# Altium PCB TM4C123G.PcbDoc (part 1 of 2) (continued)
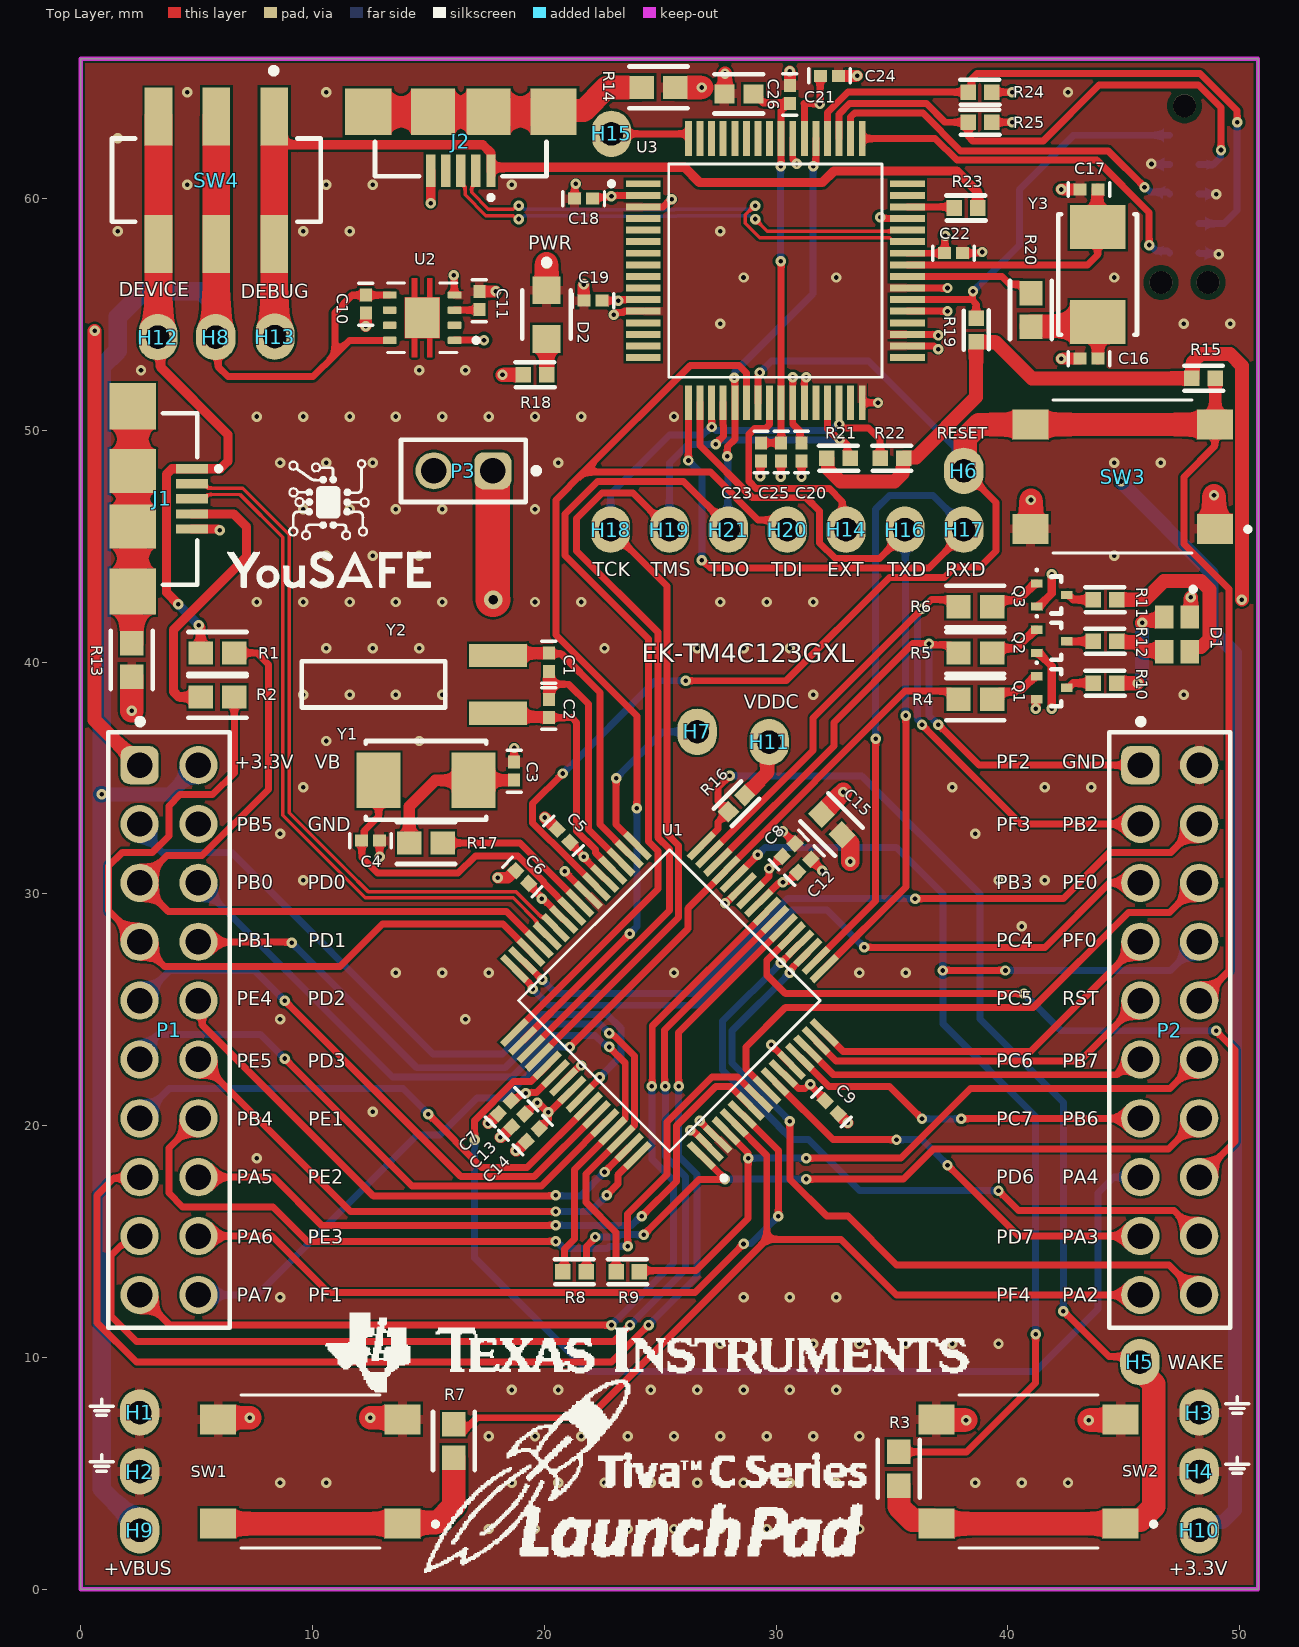
[diagram p0: Top Layer view]
## Footprints (in the part's own frame and the unit in brackets; to place one, negate y for a bottom-side part, rotate by r counter-clockwise, add the part's x,y. Pads: shape width x height; smd on the part's side, far side on the other; paste and mask are expansions set on the pad)
"0402 CAP" [mm]
  rect 0.56x0.52 smd: 1(-0.39,0) 2(0.39,0)
  silkscreen extent -0.9,-0.3 0.9,0.3, body extent -0.53,-0.28 0.53,0.28, height 0.55
"0402 RES" [mm]
  rect 0.668x0.672 smd paste+0 mask+0: 1(-0.502,0) 2(0.502,0)
  silkscreen extent -0.85,-0.54 0.84,0.54, body extent -1.04,-0.54 1.04,0.54, height 0.25
61300211121 [mm] "Pin Header, pitch 2.54 mm, THT, Vertical, single row, 2p"
  rrect50% 1.6x1.6 hole 1.1: 1(-1.27,0)
  round 1.6 hole 1.1: 2(1.27,0)
  silkscreen extent -3.26,-1.34 2.69,1.34, body extent -2.54,-1.27 2.54,1.27, height 8.57
61302021121 [mm] "Pin Header, pitch 2.54 mm, THT, Vertical, dual row, 20p"
  rrect50% 1.65x1.65 hole 1.1: 1(-11.43,-1.27)
  round 1.65 hole 1.1: 2(-11.43,1.27) 3(-8.89,-1.27) 4(-8.89,1.27) 5(-6.35,-1.27) 6(-6.35,1.27) 7(-3.81,-1.27) 8(-3.81,1.27) 9(-1.27,-1.27) 10(-1.27,1.27) 11(1.27,-1.27) 12(1.27,1.27) 13(3.81,-1.27) 14(3.81,1.27) 15(6.35,-1.27) 16(6.35,1.27) 17(8.89,-1.27) 18(8.89,1.27) 19(11.43,-1.27) 20(11.43,1.27)
  silkscreen extent -13.43,-2.61 12.85,2.61, body extent -12.7,-2.54 12.7,2.54, height 8.59
FP-AB26TRB-MFG [mm]
  rect 2.5x1 smd paste+0 mask+0: 1(5.375,1.25) 2(5.375,-1.25)
  silkscreen extent -3.1,-1 3.1,1, body extent -3.2,-1.85 6.73,1.85, height 0.25
FP-ABM3-MFG [mm]
  rect 1.9x2.4 smd paste+0 mask+0: 1(-2.05,0) 2(2.05,0)
  silkscreen extent -2.6,-1.7 2.6,1.7, body extent -3.1,-1.8 3.1,1.8, height 0.25
FP-ERA3A-IPC_B [mm]
  rect 1.055x1.006 smd paste+0 mask+0: 1(-0.726,0) 2(0.726,0)
  silkscreen extent -1.25,-0.9 1.25,0.9, body extent -1.5,-0.75 1.5,0.75, height 0.25
FP-GCJ188-0_2-IPC_C [mm]
  rect 0.855x0.812 smd paste+0 mask+0: 1(-0.625,0) 2(0.625,0)
  silkscreen extent -1.05,-0.85 1.05,0.85, body extent -1.15,-0.55 1.15,0.55, height 0.25
FP-JS202011SCQN-MFG [mm]
  rect 1.2x2.5 smd paste+0 mask+0: 1(-2.5,-2.75) 2(0,-2.75) 3(2.5,-2.75) 4(-2.5,2.75) 5(0,2.75) 6(2.5,2.75)
  silkscreen extent -4.5,-4.85 4.5,1.8, body extent -4.6,-4.1 4.6,4.1, height 0.25
FP-LTST-C171GKT-MFG [mm]
  rect 1.2x1.2 smd paste+0 mask+0: 1(-1.05,0) 2(1.05,0)
  silkscreen extent -2.37,-1.05 1.05,1.05, body extent -1.75,-0.77 1.75,0.77, height 0.25
GCT_USB3085-XX-X_REVD [mm]
  rect 0.4x1.4 smd: 1(-1.3,2.55) 2(-0.65,2.55) 3(0,2.55) 4(0.65,2.55) 5(1.3,2.55)
  rect 2x2 smd: 6(-4,0) 7(4,0)
  rect 1.9x2 smd: 8(1.2,0) 9(-1.2,0)
  silkscreen extent -3.7,1.3 3.7,3.8, body extent -4.4,-2.76 4.4,2.79, height 2.6
IC_DRV8601DRBT [mm]
  rrect25% 0.6x0.31 smd mask+0: 1(-1.4,0.975) 2(-1.4,0.325) 3(-1.4,-0.325) 4(-1.4,-0.975) 5(1.4,-0.975) 6(1.4,-0.325) 7(1.4,0.325) 8(1.4,0.975)
  rect 1.5x1.75 smd paste-2 mask+0: 9(0,0)
  Top Layer region: 0.44,0.875 0.75,0.875 0.75,-0.875 0.44,-0.875 0.44,-1.7 0.21,-1.7 0.21,-0.875 -0.21,-0.875 -0.21,-1.7 -0.44,-1.7 -0.44,-0.875 -0.75,-0.875 -0.75,0.875 -0.44,0.875 -0.44,1.7 -0.21,1.7 -0.21,0.875 0.21,0.875 0.21,1.7 0.44,1.7
  silkscreen extent -2.43,-1.5 1.5,1.5, body extent -1.5,-1.5 1.5,1.5, height 0.97
LED_CLMVC-FKA-CL1D1L71BB7C3C3 [mm]
  rect 1x0.8 smd: 1(-0.75,0.55) 2(0.75,0.55) 3(0.75,-0.55) 4(-0.75,-0.55)
  silkscreen extent -2.05,0.6 -1.85,0.8, body extent -1,-1 1,1, height 1
ONSC-SC-75-3-463-01_V [mil] "SOT23, 3-Leads, Body 1.6x0.8mm, Pitch 0.5mm"
  rect 20x14.02 smd: 1(-25.49,19.69) 2(-25.49,-19.68) 3(25.49,0)
  silkscreen extent -27,-31 16,44, body extent -34,-33 34,33, height 35
QFP50P1200X1200X160-64N [mm]
  rect 1.5x0.3 smd: 1(-5.7,3.75) 2(-5.7,3.25) 3(-5.7,2.75) 4(-5.7,2.25) 5(-5.7,1.75) 6(-5.7,1.25) 7(-5.7,0.75) 8(-5.7,0.25) 9(-5.7,-0.25) 10(-5.7,-0.75) 11(-5.7,-1.25) 12(-5.7,-1.75) 13(-5.7,-2.25) 14(-5.7,-2.75) 15(-5.7,-3.25) 16(-5.7,-3.75) 33(5.7,-3.75) 34(5.7,-3.25) 35(5.7,-2.75) 36(5.7,-2.25) 37(5.7,-1.75) 38(5.7,-1.25) 39(5.7,-0.75) 40(5.7,-0.25) 41(5.7,0.25) 42(5.7,0.75) 43(5.7,1.25) 44(5.7,1.75) 45(5.7,2.25) 46(5.7,2.75) 47(5.7,3.25) 48(5.7,3.75)
  rect 0.3x1.5 smd: 17(-3.75,-5.7) 18(-3.25,-5.7) 19(-2.75,-5.7) 20(-2.25,-5.7) 21(-1.75,-5.7) 22(-1.25,-5.7) 23(-0.75,-5.7) 24(-0.25,-5.7) 25(0.25,-5.7) 26(0.75,-5.7) 27(1.25,-5.7) 28(1.75,-5.7) 29(2.25,-5.7) 30(2.75,-5.7) 31(3.25,-5.7) 32(3.75,-5.7) 49(3.75,5.7) 50(3.25,5.7) 51(2.75,5.7) 52(2.25,5.7) 53(1.75,5.7) 54(1.25,5.7) 55(0.75,5.7) 56(0.25,5.7) 57(-0.25,5.7) 58(-0.75,5.7) 59(-1.25,5.7) 60(-1.75,5.7) 61(-2.25,5.7) 62(-2.75,5.7) 63(-3.25,5.7) 64(-3.75,5.7)
  silkscreen extent -7.17,-4.6 4.6,4.6, body extent -6,-6 6,6, height 1.6
SW_B3S-1000 [mm]
  rect 1.55x1.3 smd: 1(-3.975,2.25) 2(3.975,2.25) 3(-3.975,-2.25) 4(3.975,-2.25)
  silkscreen extent -5.5,-3.3 3,3.3, body extent -4.25,-3.3 4.25,3.3, height 4.3
TAG-CONNECT_TC2050-IDC-NL [mm]
  round 0.787 smd paste-1: 1(0,0) 2(0,-1.27) 3(0,-2.54) 4(0,-3.81) 5(0,-5.08) 6(1.27,-5.08) 7(1.27,-3.81) 8(1.27,-2.54) 9(1.27,-1.27) 10(1.27,0)
  round 0.991 hole 0.991 unplated: ""(-0.38,-6.35) ""(0.635,1.27) ""(1.65,-6.35)
"Test Point" [mm]
  oval 1.7x2 hole 1: 1(0,0)

## Part data
C1 C2: library part "0402 SMD Capacitor", "24 pF ±5% 50V Ceramic Capacitor C0G, NP0 0402 (1005 Metric)", Capacitance=10pF, Part Number=C1005C0G1H240J, Voltage=50V, ComponentLink1Description=Link
C3 C4 C16 C17: library part "0402 SMD Capacitor", "10 pF ±5% 50V Ceramic Capacitor C0G, NP0 0402 (1005 Metric)", Capacitance=10pF, Part Number=GRM1555C1H100JZ01D, Voltage=50V, ComponentLink1Description=Link
C5 C6 C11 C18 C19: library part "0402 SMD Capacitor", "Ceramic Capacitor, Multilayer, Ceramic, 25V, 10% +Tol, 10% -Tol, X7R, 15% TC, 0.01uF, Surface Mount, 0402", Capacitor Type=Ceramic, Case/Package=0402, Manufacturer="Taiyo Yuden", Manufacturer Part Number=TMK105B7103KV-F, Max Operating Temperature=125°C, Min Operating Temperature=-55°C, Package Shape=Rectangular, Package Style=SMTMeter, Rated DC Voltage (URdc)=25V, Temperature Characteristics Code=X7R, Tolerance  (fill in as +-)=10%, Category="Ceramic Capacitors", ComponentLink1Description=Link, ComponentLink2Description=https://datasheet.ciiva.com:443/pdfs/VipMasterIC/IC/TAIY/TAIY-S-A0007936089/TAIY-S-A0007936093-1.pdf?src-supplier=IHS+Markit, ComponentLink2URL=https://datasheet.ciiva.com:443/pdfs/VipMasterIC/IC/TAIY/TAIY-S-A0007936089/TAIY-S-A0007936093-1.pdf?src-supplier=IHS+Markit, ComponentLink3Description=https://datasheet.ciiva.com/129/tmk105b7103kv-f-ss-129699.pdf?src-supplier=Digikey, ComponentLink3URL=https://datasheet.ciiva.com/129/tmk105b7103kv-f-ss-129699.pdf?src-supplier=Digikey, ComponentLink4Description=https://datasheet.ciiva.com/15922/204tmk105b7103kv-f-15922348.pdf?src-supplier=Onlinecomponents.com, ComponentLink4URL=https://datasheet.ciiva.com/15922/204tmk105b7103kv-f-15922348.pdf?src-supplier=Onlinecomponents.com, ComponentLink5Description=https://datasheet.ciiva.com/30156/190tmk105b7103kv-f-30156174.pdf?src-supplier=Onlinecomponents.com, ComponentLink5URL=https://datasheet.ciiva.com/30156/190tmk105b7103kv-f-30156174.pdf?src-supplier=Onlinecomponents.com, ComponentLink6Description=https://datasheet.ciiva.com/7975/746258-7975835.pdf?src-supplier=Element14, ComponentLink6URL=https://datasheet.ciiva.com/7975/746258-7975835.pdf?src-supplier=Element14, Dielectric Material=Ceramic, Height=0.5mm, JESD-609 Code=e3, Length=1mm, Mounting Technology="Surface Mount", Multilayer=Yes, Packaging="Tape and Reel", Pins=2, Pricing="10000=0.00213 (USD)", Reach SVHC Compliant=Yes, RoHS=Yes, RoHS Compliant=Yes, Stock=90000, Supplier Part Number=TMK105B7103KV-F, Terminal Finish=Tin, Termination=Wraparound, Tolerance (fill in as +-)=10%, Width=0.5mm
C7 C8 C12 C13 C20 C21 C23 C24: library part "0402 SMD Capacitor", "Ceramic Capacitor, Multilayer, Ceramic, 16V, 10% +Tol, 10% -Tol, X7R, 15% TC, 0.1uF, Surface Mount, 0402", Capacitor Type=Ceramic, Case/Package=0402, Manufacturer="Taiyo Yuden", Manufacturer Part Number=EMK105B7104KV-F, Max Operating Temperature=125°C, Min Operating Temperature=-55°C, Package Shape=Rectangular, Package Style=SMTMeter, Rated DC Voltage (URdc)=16V, Temperature Characteristics Code=X7R, Tolerance  (fill in as +-)=10%, Category="Ceramic Capacitors", ComponentLink1Description=Link, ComponentLink2Description=https://datasheet.ciiva.com:443/pdfs/VipMasterIC/IC/TAIY/TAIY-S-A0009096450/TAIY-S-A0009096704-1.pdf?src-supplier=IHS+Markit, ComponentLink2URL=https://datasheet.ciiva.com:443/pdfs/VipMasterIC/IC/TAIY/TAIY-S-A0009096450/TAIY-S-A0009096704-1.pdf?src-supplier=IHS+Markit, Dielectric Material=Ceramic, Height=0.5mm, JESD-609 Code=e3, Length=1mm, Mounting Technology="Surface Mount", Multilayer=Yes, Packaging="Tape and Reel", Pins=2, Pricing="10000=0.00238 (USD)", Reach SVHC Compliant=Yes, RoHS=Yes, RoHS Compliant=Yes, Stock=830000, Supplier=Avnet, Supplier Part Number=EMK105B7104KV-F, Terminal Finish=Nickel, Termination=Wraparound, Tolerance (fill in as +-)=10%, Width=0.5mm
C9 C10 C14 C22 C25: library part "0402 SMD Capacitor", "Ceramic Capacitor, Ceramic, 10V, 10% +Tol, 10% -Tol, X5R, 15% TC, 1uF, Surface Mount, 0402", Capacitor Type=Ceramic, Case/Package=0402, Manufacturer=Johanson, Manufacturer Part Number=100R07X105KV4T, Max Operating Temperature=85°C, Min Operating Temperature=-55°C, Package Shape=Rectangular, Package Style=SMTMeter, Rated DC Voltage (URdc)=10V, Supplier Part Number=605-100R07X105KV4T, Temperature Characteristics Code=X5R, Tolerance  (fill in as +-)=10%, Category="Ceramic Capacitors", ComponentLink1Description=Link, ComponentLink2Description=https://datasheet.ciiva.com:443/pdfs/VipMasterIC/IC/JOHA/JOHA-S-A0008489419/JOHA-S-A0008489419-1.pdf?src-supplier=IHS+Markit, ComponentLink2URL=https://datasheet.ciiva.com:443/pdfs/VipMasterIC/IC/JOHA/JOHA-S-A0008489419/JOHA-S-A0008489419-1.pdf?src-supplier=IHS+Markit, ComponentLink3Description=https://datasheet.ciiva.com/22693/jdi-full-catalog-2012-01-22693744.pdf?src-supplier=Element14, ComponentLink3URL=https://datasheet.ciiva.com/22693/jdi-full-catalog-2012-01-22693744.pdf?src-supplier=Element14, ComponentLink4Description=https://datasheet.ciiva.com/26948/getdatasheetpartid-789067-26948543.pdf?src-supplier=Verical, ComponentLink4URL=https://datasheet.ciiva.com/26948/getdatasheetpartid-789067-26948543.pdf?src-supplier=Verical, Dielectric Material=Ceramic, Height=0.64mm, JESD-609 Code=e3, Length=1.02mm, Mounting Technology="Surface Mount", Multilayer=Yes, Packaging="Tape and Reel", Pins=2, Pricing="1=0.26, 10=0.169, 50=0.169, 100=0.086, 1000=0.055, 10000=0.042 (USD)", Reach SVHC Compliant=Yes, RoHS=Yes, RoHS Compliant=Yes, Stock=57414, Supplier=Mouser, Terminal Finish=Nickel, Termination=Wraparound, Tolerance (fill in as +-)=10%, Width=0.51mm
C15 C26: library part "0603 SMD CAP", "Ceramic Capacitor, Multilayer, Ceramic, 16V, 10% +Tol, 10% -Tol, X5R, 15% TC, 2.2uF, Surface Mount, 0603", Capacitor Type=Ceramic, Case/Package=0603, Manufacturer=Murata, Manufacturer Part Number=GRM188R61C225KE15D, Max Operating Temperature=85°C, Min Operating Temperature=-55°C, Package Shape=Rectangular, Package Style=SMTMeter, Rated DC Voltage (URdc)=16V, Temperature Characteristics Code=X5R, Tolerance  (fill in as +-)=10%, Category="Ceramic Capacitors", ComponentLink1Description=https://datasheet.ciiva.com:443/pdfs/VipMasterIC/IC/MURE/MURE-S-A0004349797/MURE-S-A0004352668-1.pdf?src-supplier=IHS+Markit, ComponentLink1URL=https://datasheet.ciiva.com:443/pdfs/VipMasterIC/IC/MURE/MURE-S-A0004349797/MURE-S-A0004352668-1.pdf?src-supplier=IHS+Markit, ComponentLink2Description=https://datasheet.ciiva.com/135/grm188r61c225ke15-01-135062.pdf?src-supplier=Digikey, ComponentLink2URL=https://datasheet.ciiva.com/135/grm188r61c225ke15-01-135062.pdf?src-supplier=Digikey, ComponentLink3Description=https://datasheet.ciiva.com/135/grm188r61c225ke15-01-135063.pdf?src-supplier=Digikey, ComponentLink3URL=https://datasheet.ciiva.com/135/grm188r61c225ke15-01-135063.pdf?src-supplier=Digikey, ComponentLink4Description=https://datasheet.ciiva.com/5417/product-5417088.pdf?src-supplier=Mouser, ComponentLink4URL=https://datasheet.ciiva.com/5417/product-5417088.pdf?src-supplier=Mouser, ComponentLink5Description=https://datasheet.ciiva.com/3777/147grm188r61c225ke1523-3777042.pdf?src-supplier=Arrow+Electronics, ComponentLink5URL=https://datasheet.ciiva.com/3777/147grm188r61c225ke1523-3777042.pdf?src-supplier=Arrow+Electronics, ComponentLink6Description=https://datasheet.ciiva.com/29199/454457-da-01-en-vs-kondensator-0603-29199689.pdf?src-supplier=Conrad, ComponentLink6URL=https://datasheet.ciiva.com/29199/454457-da-01-en-vs-kondensator-0603-29199689.pdf?src-supplier=Conrad, ComponentLink7Description=https://datasheet.ciiva.com/135/grm188r61c225ke15-01-135061.pdf?src-supplier=Digikey, ComponentLink7URL=https://datasheet.ciiva.com/135/grm188r61c225ke15-01-135061.pdf?src-supplier=Digikey, ComponentLink8Description=https://datasheet.ciiva.com/16369/product-16369274.pdf?src-supplier=Future+Electronics, ComponentLink8URL=https://datasheet.ciiva.com/16369/product-16369274.pdf?src-supplier=Future+Electronics, Dielectric Material=Ceramic, Height=0.8mm, JESD-609 Code=e3, Length=1.6mm, Mounting Technology="Surface Mount", Multilayer=Yes, Packaging="Tape and Reel", Pins=2, Pricing="8000=0.0127, 12000=0.012, 20000=0.0118, 24000=0.0111, 100000=0.0106 (USD)", Reach SVHC Compliant=Yes, RoHS=Yes, RoHS Compliant=Yes, Stock=88000, Supplier="Arrow Electronics", Supplier Part Number=GRM188R61C225KE15D, Terminal Finish=Nickel, Termination=Wraparound, Tolerance (fill in as +-)=10%, Width=0.8mm
D1 U2: Package=None, Availability=Unavailable, Price=None
  D1: MF="{'manufacturer': u'CreeLED, Inc.'}", MP=CLMVC-FKA-CL1D1L71BB7C3C3
  U2: MP=TPS73633DRBT
D2: library part CMP-22017-000007-1, "LED GREEN CLEAR CHIP SMD", Case Code (Imperial)=0805, Case Code (Metric)=2012, Color=Green, Forward Current=30mA, Forward Voltage=2.1V, Lens Color=Colorless, Max Operating Temperature=85°C, Min Operating Temperature=-55°C, Package Quantity=1, Power Dissipation=100mW, Reverse Voltage=5V, Test Current=10mA, Case/Package=0805, Depth=1.25mm, Dominant Wavelength=569nm, Height=0.8mm, Illumination Color=Green, Lead Free="Lead Free", Length=2mm, Lens Style=Diffused, Lens Transparency=Clear, Luminous Intensity=12mcd, Mount="Surface Mount", Number of Elements=1, Number of LEDs=1, Number of Pins=2, Packaging="Tape and Reel", Power Rating=100mW, Radiation Hardening=No, Viewing Angle=130°, Wavelength=585nm, Width=1.25mm
J1 J2: "USB - micro AB USB 2.0 Receptacle Connector 5 Position Surface Mount, Right Angle", Package=None, Availability=Unavailable, MF="Global Connector Technology", MP=USB3085-30-A, Price=None, SnapEDA_Link=https://www.snapeda.com/parts/USB3085-30-A/Global%20Connector%20Technology/view-part/446505/?ref=snap
J3: "MSP-FET430 Flash Emulation Tool Plug-Of-Nailsâ„¢ Adapter Cable", Package=None, Availability="In Stock", Check_prices=https://www.snapeda.com/parts/TC2050-IDC-NL/Tag-Connect+LLC/view-part/?ref=eda, MF="Tag-Connect LLC", MP=TC2050-IDC-NL, Price=None, Purchase-URL=https://pricing.snapeda.com/search/part/TC2050-IDC-NL/?ref=eda, SnapEDA_Link=https://www.snapeda.com/parts/TC2050-IDC-NL/Tag-Connect+LLC/view-part/?ref=snap
P1 P2: "WR-PHD Pin Header, THT, Vertical, pitch 2.54mm, 2 Row, 20P", Contact Resistance=20mOhm, Manufacturer="Wurth Elektronik", Operating Temperature Max=105°C, Operating Temperature Min=-40°C, Rated Current=3A, Withstanding Voltage=500V, Working Voltage=250V, Category="Board-to-Board Connectors", ComponentLink1Description="Website Link", ComponentLink1URL=https://www.we-online.com/redexpert/article/61302021121?ad, ComponentLink2Description="Datasheet Link", ComponentLink2URL=https://www.we-online.com/redexpert/spec/61302021121?ad, Gender="Pin Header", Manufacturer Part Number=61302021121, Match Code=WR-PHD, Mount="Through Hole", Number of Pins=20, Number of Rows=2, Orientation=Vertical, Packaging=Bag, Pitch=2.54mm
P3: "WR-PHD Pin Header, THT, Vertical, pitch 2.54mm, 1 Row, 2P", Contact Resistance=20mOhm, Manufacturer="Wurth Elektronik", Operating Temperature Max=105°C, Operating Temperature Min=-40°C, Rated Current=3A, Withstanding Voltage=500V, Working Voltage=250V, Category="Board-to-Board Connectors", ComponentLink1Description="Website Link", ComponentLink1URL=https://www.we-online.com/redexpert/article/61300211121?ad, ComponentLink2Description="Datasheet Link", ComponentLink2URL=https://www.we-online.com/redexpert/spec/61300211121?ad, Gender="Pin Header", Manufacturer Part Number=61300211121, Match Code=WR-PHD, Mount="Through Hole", Number of Pins=2, Number of Rows=1, Orientation=Vertical, Packaging=Bag, Pitch=2.54mm
Q1 Q2 Q3: library part CMP-0630-00210-1, "Digital Transistor (BRT), R1=10 kOhm, R2=10 kOhm, NPN Transistor, 3-Pin SC-75, Pb-Free, Tape and Reel", Manufacturer="On Semiconductor", ComponentLink1Description="Manufacturer URL", ComponentLink1URL=http://www.onsemi.com/, ComponentLink2Description=Datasheet, ComponentLink2URL=http://www.onsemi.cn/pub_link/Collateral/DTC114E-D.PDF, ComponentLink3Description="Package Specification", ComponentLink3URL=http://www.onsemi.com/pub_link/Collateral/463-01.PDF, DatasheetVersion="Rev. 5", hFE Min=35, IC Continuous (A)=0.1, Mounting Technology="Surface Mount", PackageDescription="3-Pin Small Outline Transistor, Body 1.6 x 0.8 mm, Pitch 0.5 mm", PackageReference=SC-75-3-463-01, PackageVersion="Rev. F, 07/2005", Packing="Tape and Reel", PartNumber=DTC114EET1G, Polarity=NPN, R1/R2 Typ=1, RoHS=TRUE, V(BR)CEO Min (V)=50
R1 R2 R3 R4 R5 R6 R7 R13 R14 R17 R20: library part "0603 SMD RES", "Fixed Resistor, Metal Glaze/thick Film, 0.1W, 0ohm, Surface Mount, 0603", Case/Package=0603, Manufacturer=Panasonic, Manufacturer Part Number=ERJ-3GEY0R00V, Max Operating Temperature=155°C, Min Operating Temperature=-55°C, Package Height=0.45mm, Package Length=1.6mm, Package Shape=Rectangular, Package Width=0.8mm, Power=100mW, Rated Temperature=70°C, Resistor Type="FIXED RESISTOR", Supplier Part Number=667-ERJ-3GEY0R00V, Category="Chip SMD Resistors", ComponentLink1Description=https://datasheet.ciiva.com:443/pdfs/VipMasterIC/IC/PANA/PANA-S-A0009459603/PANA-S-A0009459603-1.pdf?src-supplier=IHS+Markit, ComponentLink1URL=https://datasheet.ciiva.com:443/pdfs/VipMasterIC/IC/PANA/PANA-S-A0009459603/PANA-S-A0009459603-1.pdf?src-supplier=IHS+Markit, ComponentLink2Description=https://datasheet.ciiva.com/27055/1935748-27055113.pdf?src-supplier=Jameco, ComponentLink2URL=https://datasheet.ciiva.com/27055/1935748-27055113.pdf?src-supplier=Jameco, ComponentLink3Description=https://datasheet.ciiva.com/11808/0900766b80f806dd-11808207.pdf?src-supplier=Rs, ComponentLink3URL=https://datasheet.ciiva.com/11808/0900766b80f806dd-11808207.pdf?src-supplier=Rs, ComponentLink4Description=https://datasheet.ciiva.com/46377/1678796-46377868.pdf?src-supplier=Element14, ComponentLink4URL=https://datasheet.ciiva.com/46377/1678796-46377868.pdf?src-supplier=Element14, ComponentLink5Description=https://datasheet.ciiva.com/9198/aoa0000ce1-9198975.pdf?src-supplier=Avnet, ComponentLink5URL=https://datasheet.ciiva.com/9198/aoa0000ce1-9198975.pdf?src-supplier=Avnet, ComponentLink6Description=https://datasheet.ciiva.com/16834/aoa0000ce1-16834828.pdf?src-supplier=Future+Electronics, ComponentLink6URL=https://datasheet.ciiva.com/16834/aoa0000ce1-16834828.pdf?src-supplier=Future+Electronics, ComponentLink7Description=https://datasheet.ciiva.com/30199/4aoa0000ce1-30199822.pdf?src-supplier=Onlinecomponents.com, ComponentLink7URL=https://datasheet.ciiva.com/30199/4aoa0000ce1-30199822.pdf?src-supplier=Onlinecomponents.com, ComponentLink8Description=https://datasheet.ciiva.com/43460/1678796-43460647.pdf?src-supplier=Farnell, ComponentLink8URL=https://datasheet.ciiva.com/43460/1678796-43460647.pdf?src-supplier=Farnell, ComponentLink9Description=https://datasheet.ciiva.com/5959/1678796-5959707.pdf?src-supplier=Farnell, ComponentLink9URL=https://datasheet.ciiva.com/5959/1678796-5959707.pdf?src-supplier=Farnell, ComponentLink10Description=https://datasheet.ciiva.com/28695/1678796-28695833.pdf?src-supplier=Element14, ComponentLink10URL=https://datasheet.ciiva.com/28695/1678796-28695833.pdf?src-supplier=Element14, ComponentLink11Description=https://datasheet.ciiva.com/16758/70255313-16758527.pdf?src-supplier=Allied+Electronics, ComponentLink11URL=https://datasheet.ciiva.com/16758/70255313-16758527.pdf?src-supplier=Allied+Electronics, ComponentLink12Description=https://datasheet.ciiva.com/48532/aoa0000ce1-48532165.pdf?src-supplier=Avnet, ComponentLink12URL=https://datasheet.ciiva.com/48532/aoa0000ce1-48532165.pdf?src-supplier=Avnet, Construction=Rectangular, JESD-609 Code=e3, Mounting Technology="Surface Mount", Packaging="Tape and Reel", Pins=2, Pricing="1=0.1, 10=0.022, 50=0.022, 100=0.01, 1000=0.008, 10000=0.004 (USD)", Reach SVHC Compliant=Yes, Reference Standard=AEC-Q200, RoHS=Yes, RoHS Compliant=Yes, Stock=3258844, Supplier=Mouser, Technology="METAL GLAZE/THICK FILM", Terminal Finish=Nickel, Termination=Wraparound
R8 R9: library part "0402 SMD Resistor", "Metal Glaze/thick Film, 0.0625W, 0ohm, Surface Mount, 0402", Case/Package=0402, Manufacturer=Yageo, Manufacturer Part Number=RC0402JR-070RL, Max Operating Temperature=155°C, Min Operating Temperature=-55°C, Package Height=0.35mm, Package Length=1mm, Package Shape=Rectangular, Package Width=0.5mm, Power=62.5mW, Rated Temperature=70°C, Resistor Type="FIXED RESISTOR", Supplier Part Number=3375797, Category="Chip SMD Resistors", ComponentLink1Description=Link, ComponentLink2Description=https://datasheet.ciiva.com:443/pdfs/VipMasterIC/IC/YAGO/YAGO-S-A0008145938/YAGO-S-A0008145938-1.pdf?src-supplier=IHS+Markit, ComponentLink2URL=https://datasheet.ciiva.com:443/pdfs/VipMasterIC/IC/YAGO/YAGO-S-A0008145938/YAGO-S-A0008145938-1.pdf?src-supplier=IHS+Markit, Construction=Chip, JESD-609 Code=e3, Mounting Technology="Surface Mount", Packaging="Tape and Reel", Pins=2, Pricing="10000=0.0011, 50000=0.0011, 250000=0.001, 500000=0.001, 1500000=0.0009 (USD)", Reach SVHC Compliant=Yes, RoHS=Yes, RoHS Compliant=Yes, Stock=16470000, Supplier="Future Electronics", Technology="METAL GLAZE/THICK FILM", Terminal Finish=Nickel, Termination=Wraparound
R10 R11 R12 R18 R23: library part "0402 SMD Resistor", "Fixed Resistor, Metal Glaze/thick Film, 0.125W, 330ohm, 75V, 1% +/-Tol, 100ppm/Cel, Surface Mount, 0402", Manufacturer="Vishay Dale", Manufacturer Part Number=RCC0402330RFKED, Supplier Part Number=541-RCC0402330RFKEDCT-ND, Category="Chip SMD Resistors", ComponentLink1Description=Link, Pricing="1=0.1, 10=0.046, 50=0.0296, 100=0.0248, 500=0.01724, 1000=0.01499, 5000=0.0113 (USD)", RoHS=Yes, Stock=92625, Supplier=Digikey
R15 R19 R21 R22 R24 R25: library part "0402 SMD Resistor", "Fixed Resistor, Metal Glaze/thick Film, 0.0625W, 10000ohm, 50V, 1% +/-Tol, 100ppm/Cel, Surface Mount, 0402", Case/Package=0402, Manufacturer=Yageo, Manufacturer Part Number=RC0402FR-0710KL, Max Operating Temperature=155°C, Min Operating Temperature=-55°C, Package Height=0.35mm, Package Length=1mm, Package Shape=Rectangular, Package Width=0.5mm, Power=62.5mW, Rated Temperature=70°C, Resistor Type="FIXED RESISTOR", Supplier Part Number=3388022, Temperature Coefficient=100ppm/°C, Working Voltage=50V, Additional Feature="LASER TRIMMABLE", Category="Chip SMD Resistors", ComponentLink1Description=Link, ComponentLink2Description=https://datasheet.ciiva.com:443/pdfs/VipMasterIC/IC/YAGO/YAGO-S-A0008145938/YAGO-S-A0008145938-1.pdf?src-supplier=IHS+Markit, ComponentLink2URL=https://datasheet.ciiva.com:443/pdfs/VipMasterIC/IC/YAGO/YAGO-S-A0008145938/YAGO-S-A0008145938-1.pdf?src-supplier=IHS+Markit, Construction=Chip, JESD-609 Code=e3, Mounting Technology="Surface Mount", Packaging="Tape and Reel", Pins=2, Pricing="10000=0.0016, 100000=0.0015, 300000=0.0015, 1250000=0.0014, 3000000=0.0013 (USD)", Reach SVHC Compliant=Yes, RoHS=Yes, RoHS Compliant=Yes, Stock=31210000, Supplier="Future Electronics", Technology="METAL GLAZE/THICK FILM", Terminal Finish=Nickel, Termination=Wraparound
R16: library part "0402 SMD Resistor", "1 MOhms ±1% 0.063W, 1/16W Chip Resistor 0402 (1005 Metric) Thick Film", Part Number=MCR01MRTF1004, Tolerance=±1%, ComponentLink1Description=Link, Resistance=1M, Wattage=1/16W
SW1 SW2 SW3: "Tactile Switch SPST-NO Top Actuated Surface Mount", Package=None, Availability=Unavailable, MF=Omron, MP=B3S-1000, Price=None, SnapEDA_Link=https://www.snapeda.com/parts/B3S-1000/Omron%20Electronics%20Inc-EMC%20Div/view-part/47351/?ref=snap
SW4: library part CMP-2000-05087-3, "SWITCH SLIDE DPDT 300MA 6V", Actuator Color=Black, Contact Current Rating=300mA, Contact Resistance=70mR, Flammability Rating="UL94 V-2", Max Operating Temperature=85°C, Max Voltage Rating (DC)=6V, Min Operating Temperature=-20°C, Package Quantity=1, Actuator Length=2mm, Actuator Material=Nylon, Actuator Type=Standard, Contact Material="Copper Alloy", Contact Plating=Silver, Current Rating=300mA, Depth=7.5mm, Electrical Life=5000Cycles, Housing Material=Nylon, Lead Free="Lead Free", Length=9mm, Max Current Rating=300mA, Mount="Surface Mount", Orientation=Vertical, Packaging="Tape and Reel", Radiation Hardening=No, REACH SVHC="No SVHC", Series=JS, Switch Function=On-On, Switch Travel=2mm, Termination="Gull Wing", Throw Configuration=DPDT, Voltage Rating (DC)=6V
U1 U3: "ARMÂ® CortexÂ®-M4F Tivaâ„¢ C Microcontroller IC 32-Bit 80MHz 256KB _256K x 8_ FLASH 64-LQFP _10x10_", Package="LQFP-64 Texas Instruments", Availability=Unavailable, MF="Texas Instruments", MP=TM4C123GH6PMI, Price=None, SnapEDA_Link=https://www.snapeda.com/parts/TM4C123GH6PMI/Texas%20Instruments/view-part/557012/?ref=snap
Y1 Y3: library part CMP-27762-013555-1, "Crystal 16MHz ±20ppm 18pF SMD-2 5mm x 3.2mm", Case/Package=CSMD, ESR (Equivalent Series Resistance)=40R, Frequency Stability=50ppm, Frequency Tolerance=20ppm, Load Capacitance=18pF, Max Operating Temperature=70°C, Min Operating Temperature=-20°C, Operating Frequency="16 MHz", Package Quantity=1000, Resistor Type=Ceramic, Series Resistance=60R, Accuracy=20ppm, Depth=3.2mm, Frequency=16MHz, Height=0.051inch, Lead Free="Lead Free", Length=5mm, Mount="Surface Mount", Number of Pins=2, Packaging="Tape and Reel", REACH SVHC=Yes, Series=ABM3, Termination=SMD/SMT, Tolerance=20ppm, Width=3.2mm
Y2: library part CMP-27762-006068-1, "CRYSTAL 32.7680KHZ 12.5PF TH", Case/Package=Radial, ESR (Equivalent Series Resistance)=50kR, Frequency=32.768kHz, Frequency Stability=-0.034ppm, Frequency Tolerance=20ppm, Load Capacitance=12.5pF, Max Operating Temperature=85°C, Min Operating Temperature=-40°C, Operating Frequency="32.768 kHz", Package Quantity=500, Depth=1.9mm, Height=0.075inch, Lead Free="Lead Free", Lead Pitch=2.54mm, Length=6mm, Mount="Surface Mount", Number of Pins=2, Packaging="Tape and Reel", REACH SVHC="No SVHC", Series=AB26TRB, Series Resistance=50kR, Termination=Radial, Tolerance=20ppm

## Via types
v1: diameter 0.45, hole 0.2, Top Layer to Bottom Layer, tented both sides, 307 vias
v2: diameter 0.8, hole 0.4, Top Layer to Bottom Layer, tented both sides, 1 vias

## Nets (pads, with @x,y where several pads share a name; then routed paths per layer and width w, separated by ;. In a path a pad name is that pad's centre, name@x,y a point inside that pad or via, vN(x,y) a via of type N, cw(c..) or ccw(c..) an arc to the next point about the centre after c; other vN are vias at no path point)
+3V3: C18.2 C19.2 C20.2 C21.2 C22.2 H10.1 P1.1 P3.2 R18.2 R24.2 R25.2 U2.1 U3.2 U3.11 U3.26 U3.37 U3.42 U3.45 U3.54 | length 87.5
  Top Layer w0.3: U2.1@16.132,53.889 16.137,53.894 17.394,53.894 v1(17.4,53.9) ; C18.2@22.09,60 22.161,60.071 22.871,60.071 v1(22.9,60.1) 22.941,60.1 22.987,60.146 U3.2@24.272,60.146 ; C19.2@22.49,55.6 v1(23.2,55.6) 23.241,55.6 23.287,55.646 U3.11@24.272,55.646 ; v1(30.724,52.3) 30.722,52.298 U3.26@30.722,51.196 30.722,50.278 31.029,49.971 31.029,49.536 C20.2@31.1,49.465 ; U3.54@31.222,62.596 31.222,64.088 31.205,64.105 31.895,64.105 v1@31.9,64.1 ; v1(31.886,64.086) 31.9,64.1 31.903,64.103 31.903,65.283 C21.2@31.92,65.3 ; v1(34.5,59.2) 34.541,59.2 34.595,59.146 U3.45@35.672,59.146 ; U3.37@35.672,55.146 37.398,55.146 v1(37.4,55.144) ; U3.42@35.672,57.646 37.266,57.646 C22.2@37.27,57.65 37.285,57.665 37.285,58.385 v1(37.3,58.4) ; R25.2@39.302,63.3 v1(40.2,63.3) ; R24.2@39.302,64.6 v1(40.2,64.6)
  Top Layer w0.6: v1(0.6,54.3) 0.6,37.5 P1.1@2.54,35.56 ; v1(18.2,52.4) R18.2@19.098,52.4
  Bottom Layer w0.6: v1@44.9,47.749 48.8,43.849 48.8,41.4 49.8,40.4 49.8,3.424 49.277,2.9 48.62,2.9 H10.1@48.26,2.54
  other v1: 44.9,47.8
+ICDI_VBUS: H13.1 J2.1 R23.2 SW4.1 SW4.4 | length 41.2
  Top Layer w0.4: 8.35,62.2 8.475,62.325 17.35,62.325 17.7,61.975 J2.1@17.7,61.352 ; R23.2@38.702,59.6 38.698,59.604 38.698,60.302 37.8,61.2 32.5,61.2 32,60.7 26.7,60.7 26.048,61.352 J2.1@17.7,61.352 ; J2.1@17.7,61.352 J2.1@17.7,61.2 J2.1@17.7,61.352
  Top Layer w1.2: 8.35,62.2 SW4.4@8.35,58.05 8.35,54.075 H13.1@8.375,54.05
+MCU_PWR: C5.2 C6.2 C7.2 C8.2 C9.2 C12.2 C13.2 C14.2 C15.2 D1.1 H11.1 P3.1 R15.2 R16.2 R19.2 R21.2 R22.2 U1.2 U1.11 U1.25 U1.26 U1.37 U1.42 U1.54 U1.56 | length 63.7
  Top Layer w0.3: C7.2@18.576,21.076 18.731,21.076 19.027,21.371 19.212,21.371 19.278,21.438 19.67,21.438 U1.54@20.486,22.253 ; C13.2@19.151,20.501 19.176,20.501 19.675,21 v1(19.7,21) 19.727,21 20.148,20.579 v1(20.176,20.579) 20.216,20.579 20.37,20.733 20.38,20.733 20.575,20.929 U1.56@21.193,21.546 ; C6.2@19.326,30.458 19.326,30.415 19.9,29.841 v1(19.9,29.8) 19.939,29.8 U1.42@20.839,28.9 ; C14.2@19.79,19.89 20.176,20.276 v1@20.176,20.524 ; C5.2@21.104,32.236 21.104,32.216 21.7,31.62 v1(21.7,31.6) 21.7,31.575 U1.37@22.607,30.668 ; v1(26.299,19.799) 26.328,19.77 26.434,19.77 U1.2@27.132,19.071 ; U1.26@28.9,29.961 29.696,30.757 29.696,31.096 v1(29.7,31.1) 29.725,31.1 30.248,31.623 C8.2@30.273,31.623 ; U1.25@29.254,29.607 30.118,30.471 30.271,30.471 v1(30.3,30.5) 30.329,30.529 30.495,30.529 30.914,30.948 C12.2@30.948,30.948 ; U1.11@30.314,22.253 30.968,21.6 31.259,21.6 31.459,21.8 31.5,21.8 31.5,21.736 32.124,21.112 C9.2@32.124,21.076
  Top Layer w0.6: R16.2@28.655,34.255 29.614,35.214 29.614,36.466 H11.1@29.692,36.544 ; R21.2@32.198,48.8 32.232,48.766 32.232,48.348 32.78,47.8 35.117,47.8 35.468,48.151 35.468,48.764 35.502,48.798 R22.2@35.502,48.8 R22.2@35.502,48.8 35.536,48.836 36.036,48.836 38.634,51.434 R19.2@38.634,53.83 38.664,53.8 39.5,53.8 41.05,52.25 R15.2@47.948,52.25 47.982,52.284 47.982,52.949 48.333,53.3 49.6,53.3 50.11,52.79 50.11,42.71 v1(50.1,42.7) ; D1.1@47.85,41.95 47.9,42 v1(47.9,42.8)
  Top Layer w0.8: C15.2@31.958,33.442 31.954,33.446 31.954,33.454 v1(32.9,34.4)
  Top Layer w1.5: P3.1@17.78,48.26 17.78,42.7 v2(17.8,42.7)
  other v1: 19.2,21.4 31.486,21.786
+USB0_VBUS: H12.1 J1.1 R1.2 SW4.3 SW4.6 | length 27.3
  Top Layer w0.4: H12.1@3.325,54.025 3.438,53.912 3.438,52.737 6.35,49.825 6.35,48.675 6.025,48.35 3.934,48.35 3.7,48.116 3.7,43.014 4.2,42.514 v1(4.2,42.5) ; v1(5.1,41.6) 5.1,41.586 5.174,41.512 R1.2@5.174,40.4
  Top Layer w1.2: H12.1@3.325,54.025 3.35,54.05 SW4.6@3.35,58.05 SW4.3@3.35,63.55
  Bottom Layer w0.4: v1(4.2,42.5) v1(5.1,41.6)
+VBUS: C10.2 H8.1 H9.1 P1.2 SW4.2 SW4.5 U2.5 U2.8 | length 87.9
  Top Layer w0.3: H8.1@5.825,54.025 5.924,53.926 5.924,52.751 6.35,52.325 10.025,52.325 10.962,53.262 ; C10.2@12.3,55.84 U2.5@13.332,55.839 ; C10.2@12.3,55.84 11.715,55.84 10.962,55.088 10.962,53.262 ; U2.8@13.332,53.889 11.589,53.889 10.962,53.262
  Top Layer w1.2: H8.1@5.825,54.025 5.85,54.05 SW4.5@5.85,58.05 SW4.2@5.85,63.55
  Bottom Layer w0.6: v1(0.9,34.3) 3.82,34.3 P1.2@5.08,35.56
  Bottom Layer w0.8: H9.1@2.54,2.54 2.54,2.69 0.9,4.33 v1(0.9,34.3) 0.9,52.737 1.6,53.437 1.6,54.9 2.7,56 5.214,56 5.682,55.531 5.682,54.168 H8.1@5.825,54.025
DEBUG_TCK/SWCLK: H18.1 R22.1 U1.52 U3.19 U3.30 | length 43.2
  Top Layer w0.3: U1.52@19.779,22.96 25.8,28.982 25.8,32.1 25.3,32.6 25.3,43.28 H18.1@22.86,45.72 ; U3.19@27.222,51.196 27.222,50.151 v1(27.224,50.149) ; v1(32.724,50.28) 32.766,50.279 32.942,50.102 33.998,50.102 34.489,49.611 34.489,48.808 R22.1@34.498,48.8
  Bottom Layer w0.3: H18.1@22.86,45.72 22.86,47.26 25.4,49.8 26.835,49.8 27.183,50.149 27.265,50.149 27.413,50 32.404,50 32.683,50.28 v1(32.724,50.28)
DEBUG_TDI: H20.1 U1.50 U3.22 | length 48.7
  Top Layer w0.3: U1.50@19.071,23.668 21.569,26.166 21.569,26.168 v1(23.692,28.291) ; v1(23.995,33.7) 23.995,37.673 20.498,41.17 20.498,44.434 20.498,46.998 21.702,48.202 ; U3.22@28.722,51.196 28.722,52.478 28.4,52.8 26.3,52.8 21.702,48.202 ; H20.1@30.48,45.72 30.062,46.138 29.23,46.138 27.166,48.202 26.014,48.202 21.702,48.202
  Bottom Layer w0.3: v1(23.692,28.291) 23.995,28.594 v1(23.995,33.7)
DEBUG_TDO/SWO: H21.1 U1.49 U3.21 U3.53 | length 53.7
  Top Layer w0.3: U1.49@18.718,24.021 23.293,28.596 23.293,28.602 23.484,28.793 23.49,28.793 24.909,30.212 24.909,31.855 24.497,32.267 24.497,41.003 20.9,44.6 20.9,46.4 22.3,47.8 26.01,47.8 27.94,45.87 H21.1@27.94,45.72 ; v1(27.9,48.882) 27.9,49.3 28.222,49.622 28.222,52.207 28.192,52.237 v1(28.192,52.278) ; v1(31.6,61.4) 31.6,61.441 31.722,61.563 U3.53@31.722,62.596
  Bottom Layer w0.3: v1(27.9,48.882) 27.92,48.862 27.92,45.74 H21.1@27.94,45.72 ; v1(28.192,52.278) 28.221,52.306 28.221,52.521 31.6,55.9 v1(31.6,61.4)
DEBUG_TMS/SWDIO: H19.1 R21.1 U1.51 U3.20 U3.29 | length 47.6
  Top Layer w0.3: U1.51@19.425,23.314 25.398,29.287 25.398,31.934 24.898,32.434 24.898,41.302 21.4,44.8 21.4,46.2 22.5,47.3 23.82,47.3 H19.1@25.4,45.72 ; v1(27.4,49.4) 27.4,49.441 27.726,49.767 27.726,50.208 27.722,50.212 U3.20@27.722,51.196 ; U3.29@32.222,51.196 32.222,50.072 32.636,49.657 32.726,49.657 32.783,49.6 32.851,49.6 33.073,49.378 33.073,48.929 R21.1@33.202,48.8
  Bottom Layer w0.3: H19.1@25.4,45.72 25.4,48.592 26.207,49.398 27.398,49.398 v1(27.4,49.4) 27.441,49.4 27.639,49.598 32.57,49.598 32.572,49.6 32.705,49.6 v1@32.734,49.629
  other v1: 32.754,49.629
EXTDBG: H14.1 U3.24 | length 9.7
  Top Layer w0.3: U3.24@29.722,51.196 29.722,50.264 29.546,50.088 29.077,50.088 28.823,49.834 28.823,47.817 29.14,47.5 29.99,47.5 29.992,47.498 32.302,47.498 32.856,46.944 32.856,45.884 H14.1@33.02,45.72